# Altium PCB JTAG批量下载板-V1.6-ASCII.PcbDoc (part 2 of 14)
Units mil, origin at the board's own origin, x right, y up, seen from the top; angles counter-clockwise.
Board outline 7947.6 x 7007.76 mil, 2 copper layers (Top Layer, Bottom Layer); 207 components, 340 nets, 1329 pads, 792 vias.
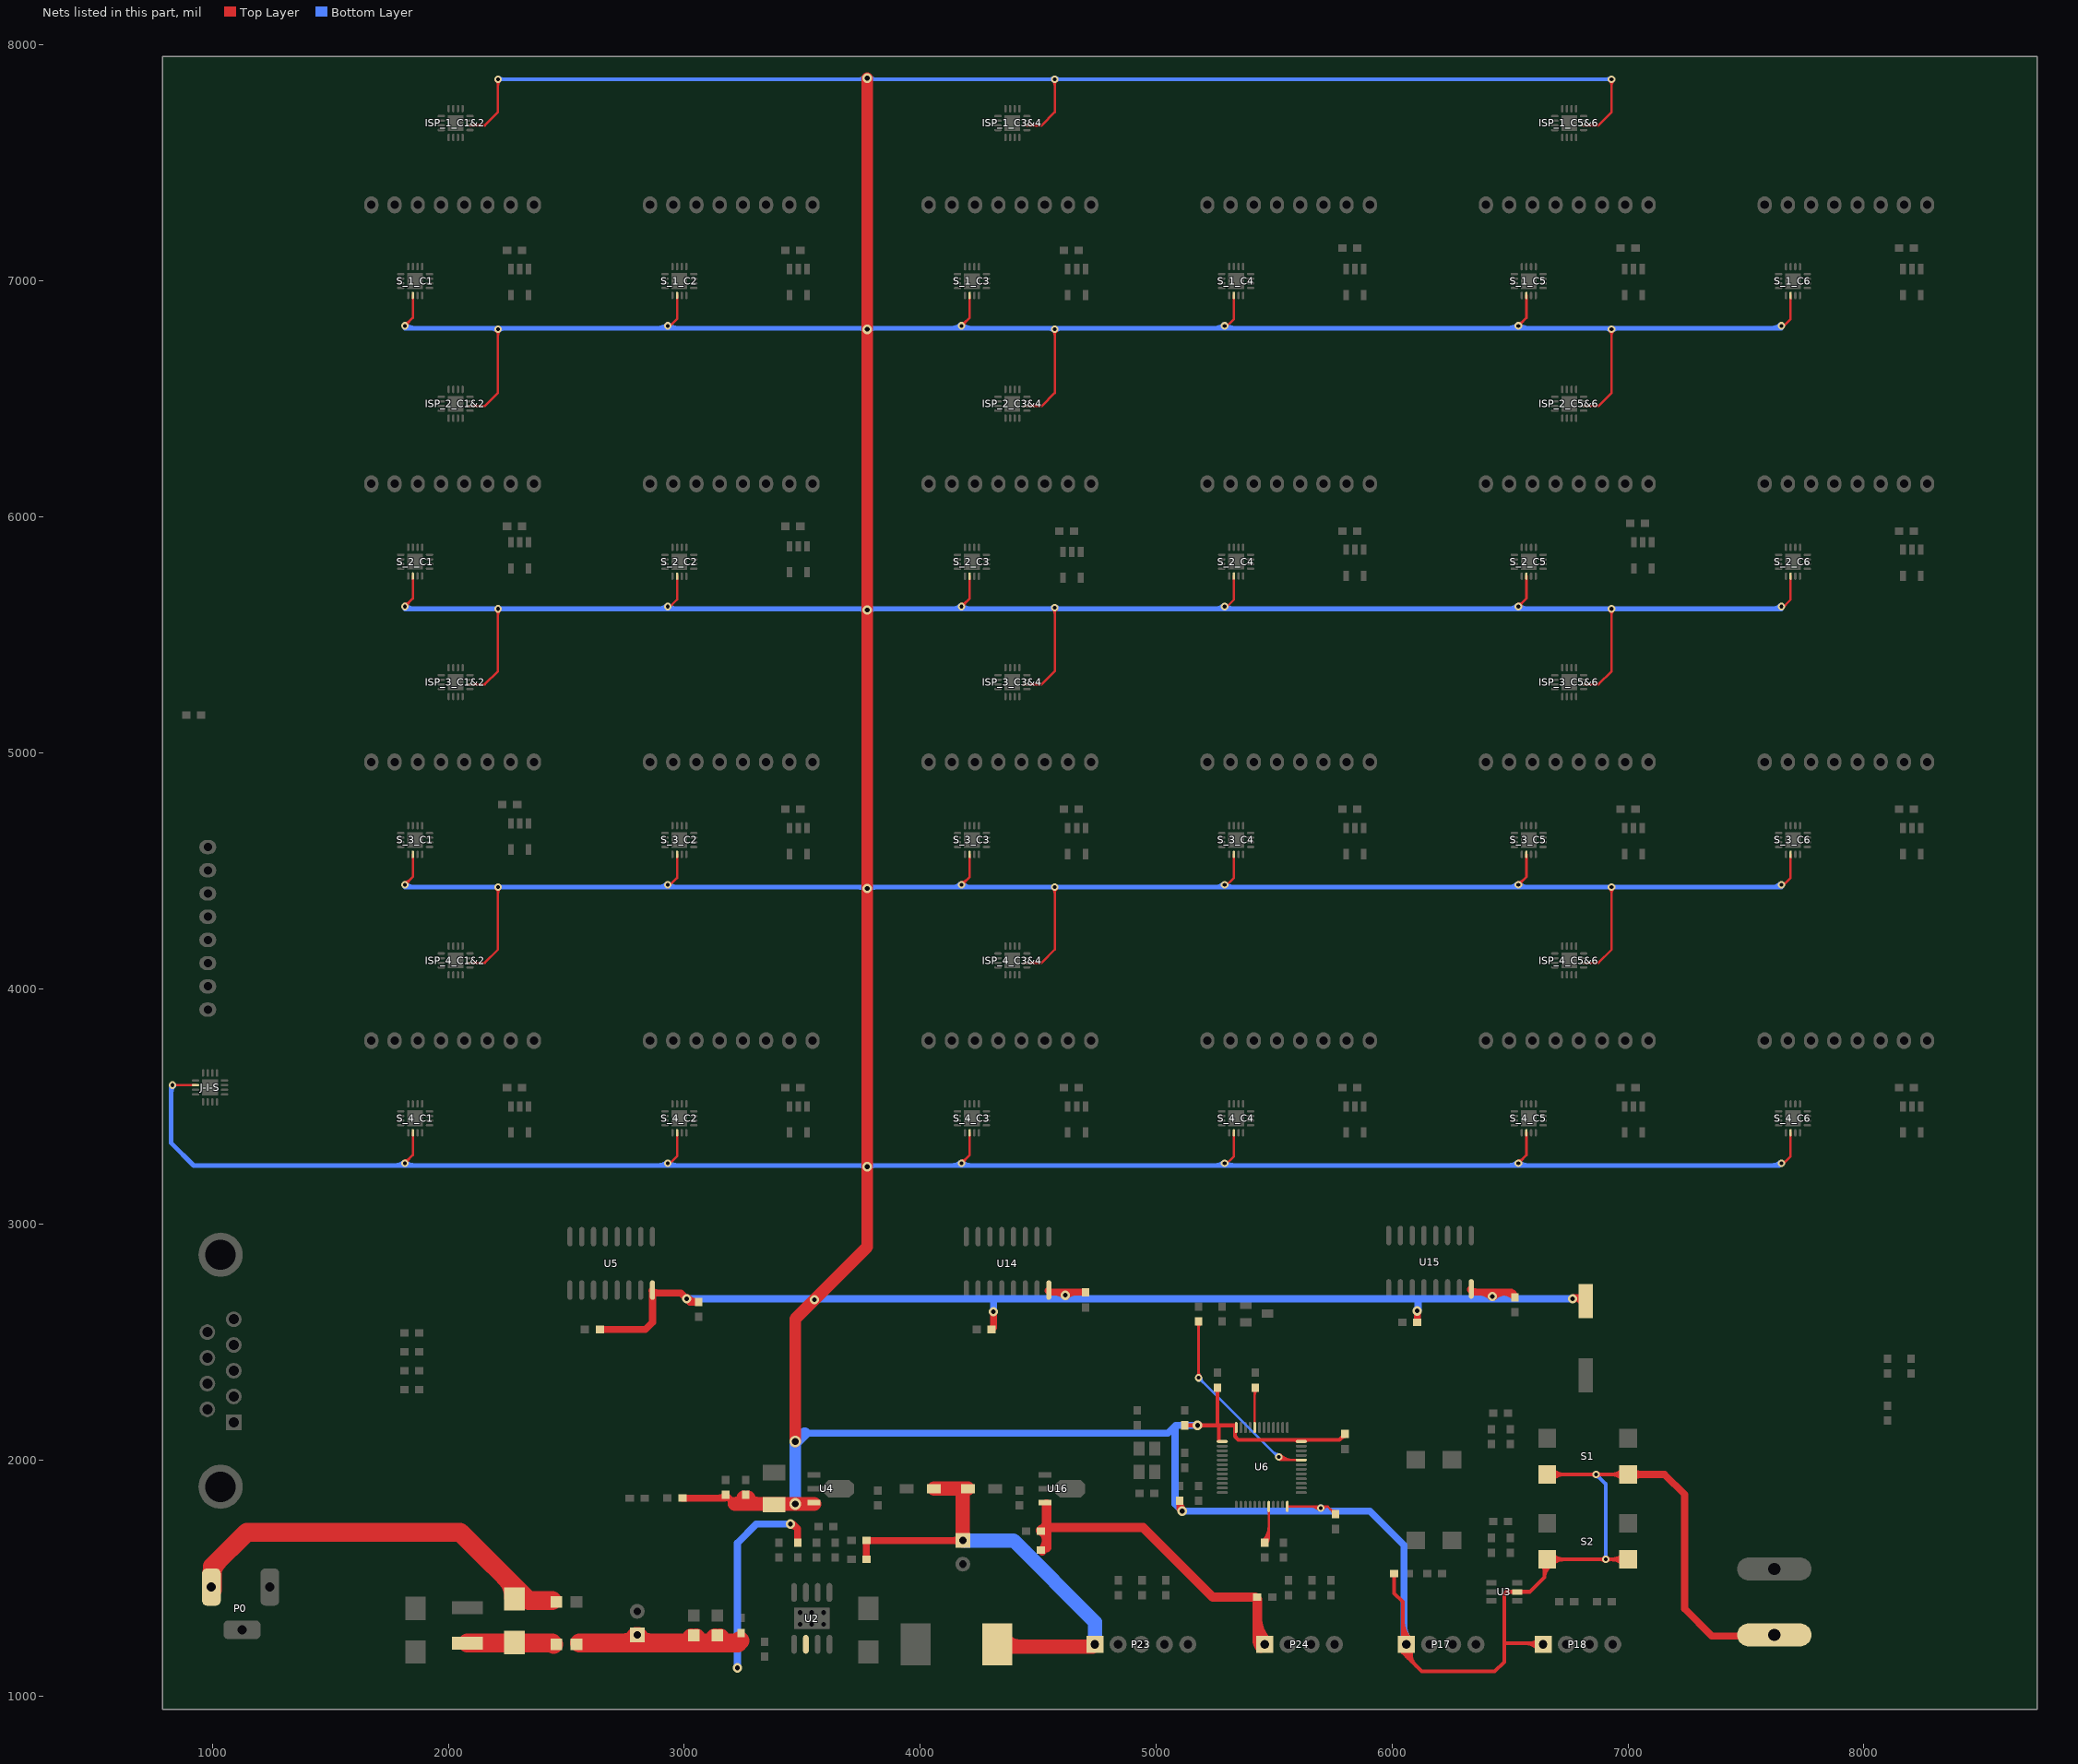
[diagram p2: the nets of this part, all layers, seen from the top]

## Via types
v1: diameter 32, hole 16, Top Layer to Bottom Layer, 721 vias
v2: diameter 50, hole 28, Top Layer to Bottom Layer, 45 vias
v3: diameter 40, hole 20, Top Layer to Bottom Layer, 26 vias

## Nets (pads, with @x,y where several pads share a name; then routed paths per layer and width w, separated by ;. In a path a pad name is that pad's centre, name@x,y a point inside that pad or via, vN(x,y) a via of type N, cw(c..) or ccw(c..) an arc to the next point about the centre after c; other vN are vias at no path point)
3.3V: C6.1 C7.1 C8.1 C9.1 C10.1 C16.1 C30.1 C41.1 C42.1 C43.1 ISP_1_C1&2.14 ISP_1_C3&4.14 ISP_1_C5&6.14 ISP_2_C1&2.14 ISP_2_C3&4.14 ISP_2_C5&6.14 ISP_3_C1&2.14 ISP_3_C3&4.14 ISP_3_C5&6.14 ISP_4_C1&2.14 ISP_4_C3&4.14 ISP_4_C5&6.14 J-I-S.14 LS1.1 P17.1 P18.1 R3.1 R12.2 R15.2 R67.1 R68.1 R69.1 S1.1 S1.2 S2.1 S2.2 S_1_C1.14 S_1_C2.14 S_1_C3.14 S_1_C4.14 S_1_C5.14 S_1_C6.14 S_2_C1.14 S_2_C2.14 S_2_C3.14 S_2_C4.14 S_2_C5.14 S_2_C6.14 S_3_C1.14 S_3_C2.14 S_3_C3.14 S_3_C4.14 S_3_C5.14 S_3_C6.14 S_4_C1.14 S_4_C2.14 S_4_C3.14 S_4_C4.14 S_4_C5.14 S_4_C6.14 SW1.1 U3.5 U4.3 U5.16 U6.1 U6.24 U6.36 U6.48 U14.16 U15.16 | length 75884.8
  Top Layer w10: v1(830.87,3590.87) J-I-S.14@928.5,3590.87 ; v1(1815,3260) 1849.13,3294.13 S_4_C1.14@1849.13,3389.06 ; v1@1815,3271 ccw(c1815,3297.56) 1833.78,3278.78 ccw(c1852.56,3260) v1@1826,3260 ; v1(1815,4440) 1849.13,4474.13 S_3_C1.14@1849.13,4569.06 ; v1@1815,4451 ccw(c1815,4477.56) 1833.78,4458.78 ccw(c1852.56,4440) v1@1826,4440 ; v1(1815,5620) 1849.13,5654.13 S_2_C1.14@1849.13,5749.06 ; v1@1815,5631 ccw(c1815,5657.56) 1833.78,5638.78 ccw(c1852.56,5620) v1@1826,5620 ; v1(1815,6810) 1849.13,6844.13 S_1_C1.14@1849.13,6939.06 ; v1@1815,6821 ccw(c1815,6847.56) 1833.78,6828.78 ccw(c1852.56,6810) v1@1826,6810 ; ISP_4_C1&2.14@2091.5,4109.69 2154.13,4109.69 2210,4165.55 v1(2210,4430) ; ISP_3_C1&2.14@2091.5,5289.69 2154.13,5289.69 2210,5345.55 v1(2210,5610) ; ISP_2_C1&2.14@2091.5,6469.69 2154.13,6469.69 2210,6525.55 v1(2210,6795) ; ISP_1_C1&2.14@2091.5,7659.69 2154.13,7659.69 2210,7715.55 v1(2210,7855.55) ; v1@2202.22,4422.22 cw(c2183.44,4403.44) 2210,4403.44 cw(c2236.56,4403.44) v1@2217.78,4422.22 ; v1@2202.22,5602.22 cw(c2183.44,5583.44) 2210,5583.44 cw(c2236.56,5583.44) v1@2217.78,5602.22 ; v1@2202.22,6787.22 cw(c2183.44,6768.44) 2210,6768.44 cw(c2236.56,6768.44) v1@2217.78,6787.22 ; v1@2202.22,7847.77 cw(c2183.44,7828.99) 2210,7828.99 cw(c2236.56,7828.99) v1@2217.78,7847.77 ; v1@2930,3250 2969.13,3289.13 S_4_C2.14@2969.13,3389.06 ; v1@2930,4430 2969.13,4469.13 S_3_C2.14@2969.13,4569.06 ; v1@2930,5610 2969.13,5649.13 S_2_C2.14@2969.13,5749.06 ; v1@2930,6800 2969.13,6839.13 S_1_C2.14@2969.13,6939.06 ; v1(4175,3260) 4209.13,3294.13 S_4_C3.14@4209.13,3389.06 ; v1@4175,3271 ccw(c4175,3297.56) 4193.78,3278.78 ccw(c4212.56,3260) v1@4186,3260 ; v1(4175,4440) 4209.13,4474.13 S_3_C3.14@4209.13,4569.06 ; v1@4175,4451 ccw(c4175,4477.56) 4193.78,4458.78 ccw(c4212.56,4440) v1@4186,4440 ; v1(4175,5620) 4209.13,5654.13 S_2_C3.14@4209.13,5749.06 ; v1@4175,5631 ccw(c4175,5657.56) 4193.78,5638.78 ccw(c4212.56,5620) v1@4186,5620 ; v1(4175,6810) 4209.13,6844.13 S_1_C3.14@4209.13,6939.06 ; v1@4175,6821 ccw(c4175,6847.56) 4193.78,6828.78 ccw(c4212.56,6810) v1@4186,6810 ; ISP_4_C3&4.14@4451.5,4109.69 4514.13,4109.69 4570,4165.55 v1(4570,4430) ; ISP_3_C3&4.14@4451.5,5289.69 4514.13,5289.69 4570,5345.55 v1(4570,5615) ; ISP_2_C3&4.14@4451.5,6469.69 4514.13,6469.69 4570,6525.55 v1(4570,6795) ; ISP_1_C3&4.14@4451.5,7659.69 4514.13,7659.69 4570,7715.55 v1(4570,7855.55) ; v1@4562.22,4422.22 cw(c4543.44,4403.44) 4570,4403.44 cw(c4596.56,4403.44) v1@4577.78,4422.22 ; v1@4562.22,5607.22 cw(c4543.44,5588.44) 4570,5588.44 cw(c4596.56,5588.44) v1@4577.78,5607.22 ; v1@4562.22,6787.22 cw(c4543.44,6768.44) 4570,6768.44 cw(c4596.56,6768.44) v1@4577.78,6787.22 ; v1@4562.22,7847.77 cw(c4543.44,7828.99) 4570,7828.99 cw(c4596.56,7828.99) v1@4577.78,7847.77 ; v1@5290,3250 5329.13,3289.13 S_4_C4.14@5329.13,3389.06 ; v1@5290,4430 5329.13,4469.13 S_3_C4.14@5329.13,4569.06 ; v1@5290,5610 5329.13,5649.13 S_2_C4.14@5329.13,5749.06 ; v1@5290,6800 5329.13,6839.13 S_1_C4.14@5329.13,6939.06 ; U6.24@5555.59,1804.41 5727.09,1804.41 ; C16.1@5760,1771.5 5727.09,1804.41 ; v1(6535,3260) 6569.13,3294.13 S_4_C5.14@6569.13,3389.06 ; v1@6535,3271 ccw(c6535,3297.56) 6553.78,3278.78 ccw(c6572.56,3260) v1@6546,3260 ; v1(6535,4440) 6569.13,4474.13 S_3_C5.14@6569.13,4569.06 ; v1@6535,4451 ccw(c6535,4477.56) 6553.78,4458.78 ccw(c6572.56,4440) v1@6546,4440 ; v1(6535,5620) 6569.13,5654.13 S_2_C5.14@6569.13,5749.06 ; v1@6535,5631 ccw(c6535,5657.56) 6553.78,5638.78 ccw(c6572.56,5620) v1@6546,5620 ; v1(6535,6810) 6569.13,6844.13 S_1_C5.14@6569.13,6939.06 ; v1@6535,6821 ccw(c6535,6847.56) 6553.78,6828.78 ccw(c6572.56,6810) v1@6546,6810 ; ISP_4_C5&6.14@6811.5,4109.69 6874.13,4109.69 6930,4165.55 v1(6930,4430) ; ISP_3_C5&6.14@6811.5,5289.69 6874.13,5289.69 6930,5345.55 v1(6930,5610) ; ISP_2_C5&6.14@6811.5,6469.69 6874.13,6469.69 6930,6525.55 v1(6930,6795) ; ISP_1_C5&6.14@6811.5,7659.69 6874.13,7659.69 6930,7715.55 v1(6930,7855.55) ; v1@6922.22,4422.22 cw(c6903.44,4403.44) 6930,4403.44 cw(c6956.56,4403.44) v1@6937.78,4422.22 ; v1@6922.22,5602.22 cw(c6903.44,5583.44) 6930,5583.44 cw(c6956.56,5583.44) v1@6937.78,5602.22 ; v1@6922.22,6787.22 cw(c6903.44,6768.44) 6930,6768.44 cw(c6956.56,6768.44) v1@6937.78,6787.22 ; v1@6922.22,7847.77 cw(c6903.44,7828.99) 6930,7828.99 cw(c6956.56,7828.99) v1@6937.78,7847.77 ; v1@7650,3250 7689.13,3289.13 S_4_C6.14@7689.13,3389.06 ; v1@7650,4430 7689.13,4469.13 S_3_C6.14@7689.13,4569.06 ; v1@7650,5610 7689.13,5649.13 S_2_C6.14@7689.13,5749.06 ; v1@7650,6800 7689.13,6839.13 S_1_C6.14@7689.13,6939.06 ; 5653.66,1804.41 cw(c5653.66,1752.8) v1@5690.15,1789.29 ; 5653.66,1804.41 cw(c5653.66,1752.8) v1@5690.15,1789.29 ; 5653.66,1804.41 cw(c5653.66,1752.8) v1@5690.15,1789.29 ; 5677.8,1804.41 cw(c5677.8,1776.94) v1@5697.22,1796.36 ; 5677.8,1804.41 cw(c5677.8,1776.94) v1@5697.22,1796.36 ; 5677.8,1804.41 cw(c5677.8,1776.94) v1@5697.22,1796.36 ; v1@5707.84,1792.31 cw(c5727.09,1783.06) 5727.09,1804.41 ; v1@5707.84,1792.31 cw(c5727.09,1783.06) 5727.09,1804.41 ; v1@5707.84,1792.31 cw(c5727.09,1783.06) 5727.09,1804.41 ; 5738.29,1793.2 ccw(c5760,1814.91) C16.1@5760,1784.21 ; 5738.29,1793.2 ccw(c5760,1814.91) C16.1@5760,1784.21 ; 5738.29,1793.2 ccw(c5760,1814.91) C16.1@5760,1784.21 ; 5738.29,1793.2 ccw(c5760,1814.91) C16.1@5760,1784.21 ; 5738.29,1793.2 ccw(c5760,1814.91) C16.1@5760,1784.21 ; 5743.04,1788.45 cw(c5728.06,1773.46) C16.1@5749.25,1773.46 ; 5743.04,1788.45 cw(c5728.06,1773.46) C16.1@5749.25,1773.46 ; 5743.04,1788.45 cw(c5728.06,1773.46) C16.1@5749.25,1773.46 ; 5743.04,1788.45 cw(c5728.06,1773.46) C16.1@5749.25,1773.46 ; 5743.04,1788.45 cw(c5728.06,1773.46) C16.1@5749.25,1773.46
  Top Layer w16: C8.1@5120,2148.5 5333.5,2148.5 5333.5,2101.5 5348.37,2086.63 5776.63,2086.63 C10.1@5801.5,2111.5 ; 5260,2148.5 C9.1@5260,2308.5 ; U6.1@5265,2085 5265,2148.5 ; 5333.5,2112.99 cw(c5347.4,2112.99) U6.48@5337.57,2122.82 ; 5585.98,2086.63 cw(c5585.98,2069.05) U6.36@5598.41,2081.48 ; U6.36@5630.88,2081.48 cw(c5643.31,2069.05) 5643.31,2086.63 ; R12.2@6008.5,1520 6008.5,1436.5 6045,1400 6045,1185 6125,1105 6435,1105 6475,1145 6475,1435 6482.6,1442.6 6582.6,1442.6 6645,1505 6645,1555 6670,1580 S2.1@7000,1580 ; 6475,1230 6480,1225 P18.1@6635,1225 ; S1.2@6657.48,1940 S1.1@6965,1940 ; C8.1@5125.48,2143.03 cw(c5138.71,2129.8) 5138.71,2148.5 ; C8.1@5125.48,2143.03 cw(c5138.71,2129.8) 5138.71,2148.5 ; C8.1@5125.48,2143.03 cw(c5138.71,2129.8) 5138.71,2148.5 ; C8.1@5125.48,2143.03 cw(c5138.71,2129.8) 5138.71,2148.5 ; C8.1@5125.48,2143.03 cw(c5138.71,2129.8) 5138.71,2148.5 ; C8.1@5125.48,2153.98 ccw(c5138.71,2167.21) 5138.71,2148.5 ; C8.1@5125.48,2153.98 ccw(c5138.71,2167.21) 5138.71,2148.5 ; C8.1@5125.48,2153.98 ccw(c5138.71,2167.21) 5138.71,2148.5 ; C8.1@5125.48,2153.98 ccw(c5138.71,2167.21) 5138.71,2148.5 ; C8.1@5125.48,2153.98 ccw(c5138.71,2167.21) 5138.71,2148.5 ; 5146.03,2148.5 cw(c5146.03,2119.53) v3@5166.51,2140.02 ; 5146.03,2148.5 ccw(c5146.03,2177.47) v3@5166.51,2156.99 ; 5146.03,2148.5 cw(c5146.03,2119.53) v3@5166.51,2140.02 ; 5146.03,2148.5 ccw(c5146.03,2177.47) v3@5166.51,2156.99 ; 5146.03,2148.5 cw(c5146.03,2119.53) v3@5166.51,2140.02 ; 5146.03,2148.5 ccw(c5146.03,2177.47) v3@5166.51,2156.99 ; 5146.03,2148.5 cw(c5146.03,2119.53) v3@5166.51,2140.02 ; 5146.03,2148.5 ccw(c5146.03,2177.47) v3@5166.51,2156.99 ; 5146.03,2148.5 cw(c5146.03,2119.53) v3@5166.51,2140.02 ; 5146.03,2148.5 ccw(c5146.03,2177.47) v3@5166.51,2156.99 ; v3@5183.49,2140.02 cw(c5203.97,2119.53) 5203.97,2148.5 ; v3@5183.49,2140.02 cw(c5203.97,2119.53) 5203.97,2148.5 ; v3@5183.49,2140.02 cw(c5203.97,2119.53) 5203.97,2148.5 ; v3@5183.49,2140.02 cw(c5203.97,2119.53) 5203.97,2148.5 ; v3@5183.49,2140.02 cw(c5203.97,2119.53) 5203.97,2148.5 ; v3@5183.49,2156.99 ccw(c5203.97,2177.47) 5203.97,2148.5 ; v3@5183.49,2156.99 ccw(c5203.97,2177.47) 5203.97,2148.5 ; v3@5183.49,2156.99 ccw(c5203.97,2177.47) 5203.97,2148.5 ; v3@5183.49,2156.99 ccw(c5203.97,2177.47) 5203.97,2148.5 ; v3@5183.49,2156.99 ccw(c5203.97,2177.47) 5203.97,2148.5 ; C9.1@5254.52,2301.06 cw(c5241.29,2287.83) 5260,2287.83 ; C9.1@5254.52,2301.06 cw(c5241.29,2287.83) 5260,2287.83 ; C9.1@5254.52,2301.06 cw(c5241.29,2287.83) 5260,2287.83 ; C9.1@5254.52,2301.06 cw(c5241.29,2287.83) 5260,2287.83 ; C9.1@5254.52,2301.06 cw(c5241.29,2287.83) 5260,2287.83 ; 5260,2287.83 cw(c5278.71,2287.83) C9.1@5265.48,2301.06 ; 5260,2287.83 cw(c5278.71,2287.83) C9.1@5265.48,2301.06 ; 5260,2287.83 cw(c5278.71,2287.83) C9.1@5265.48,2301.06 ; 5260,2287.83 cw(c5278.71,2287.83) C9.1@5265.48,2301.06 ; 5260,2287.83 cw(c5278.71,2287.83) C9.1@5265.48,2301.06 ; C10.1@5785.97,2095.97 cw(c5800,2081.93) C10.1@5800,2101.78 ; C10.1@5785.97,2095.97 cw(c5800,2081.93) C10.1@5800,2101.78 ; C10.1@5785.97,2095.97 cw(c5800,2081.93) C10.1@5800,2101.78 ; C10.1@5785.97,2095.97 cw(c5800,2081.93) C10.1@5800,2101.78 ; C10.1@5785.97,2095.97 cw(c5800,2081.93) C10.1@5800,2101.78 ; C10.1@5787.11,2097.11 ccw(c5774.69,2109.53) C10.1@5792.25,2109.53 ; C10.1@5787.11,2097.11 ccw(c5774.69,2109.53) C10.1@5792.25,2109.53 ; C10.1@5787.11,2097.11 ccw(c5774.69,2109.53) C10.1@5792.25,2109.53 ; C10.1@5787.11,2097.11 ccw(c5774.69,2109.53) C10.1@5792.25,2109.53 ; C10.1@5787.11,2097.11 ccw(c5774.69,2109.53) C10.1@5792.25,2109.53 ; R12.2@6003.03,1514.52 cw(c5989.8,1501.29) 6008.5,1501.29 ; R12.2@6003.03,1514.52 cw(c5989.8,1501.29) 6008.5,1501.29 ; R12.2@6003.03,1514.52 cw(c5989.8,1501.29) 6008.5,1501.29 ; R12.2@6003.03,1514.52 cw(c5989.8,1501.29) 6008.5,1501.29 ; R12.2@6003.03,1514.52 cw(c5989.8,1501.29) 6008.5,1501.29 ; 6008.5,1501.29 cw(c6027.21,1501.29) R12.2@6013.98,1514.52 ; 6008.5,1501.29 cw(c6027.21,1501.29) R12.2@6013.98,1514.52 ; 6008.5,1501.29 cw(c6027.21,1501.29) R12.2@6013.98,1514.52 ; 6008.5,1501.29 cw(c6027.21,1501.29) R12.2@6013.98,1514.52 ; 6008.5,1501.29 cw(c6027.21,1501.29) R12.2@6013.98,1514.52 ; P17.1@6041.75,1228.18 ccw(c6081.75,1210.25) 6050.75,1179.25 ; P17.1@6041.75,1228.18 ccw(c6081.75,1210.25) 6050.75,1179.25 ; P17.1@6041.75,1228.18 ccw(c6081.75,1210.25) 6050.75,1179.25 ; P17.1@6041.75,1228.18 ccw(c6081.75,1210.25) 6050.75,1179.25 ; P17.1@6041.75,1228.18 ccw(c6081.75,1210.25) 6050.75,1179.25 ; 6045,1285.18 ccw(c6125.18,1285.18) P17.1@6068.49,1228.49 ; 6045,1285.18 ccw(c6125.18,1285.18) P17.1@6068.49,1228.49 ; 6045,1285.18 ccw(c6125.18,1285.18) P17.1@6068.49,1228.49 ; 6045,1285.18 ccw(c6125.18,1285.18) P17.1@6068.49,1228.49 ; 6045,1285.18 ccw(c6125.18,1285.18) P17.1@6068.49,1228.49 ; 6045,1323.81 ccw(c6163.81,1323.81) P17.1@6079.8,1239.8 ; 6045,1323.81 ccw(c6163.81,1323.81) P17.1@6079.8,1239.8 ; 6045,1323.81 ccw(c6163.81,1323.81) P17.1@6079.8,1239.8 ; 6045,1323.81 ccw(c6163.81,1323.81) P17.1@6079.8,1239.8 ; 6045,1323.81 ccw(c6163.81,1323.81) P17.1@6079.8,1239.8 ; P17.1@6056.35,1221.64 ccw(c6104.42,1200.08) 6067.17,1162.83 ; P17.1@6056.35,1221.64 ccw(c6104.42,1200.08) 6067.17,1162.83 ; P17.1@6056.35,1221.64 ccw(c6104.42,1200.08) 6067.17,1162.83 ; P17.1@6056.35,1221.64 ccw(c6104.42,1200.08) 6067.17,1162.83 ; P17.1@6056.35,1221.64 ccw(c6104.42,1200.08) 6067.17,1162.83 ; P17.1@6070.95,1215.09 ccw(c6127.08,1189.92) 6083.58,1146.42 ; P17.1@6070.95,1215.09 ccw(c6127.08,1189.92) 6083.58,1146.42 ; P17.1@6070.95,1215.09 ccw(c6127.08,1189.92) 6083.58,1146.42 ; P17.1@6070.95,1215.09 ccw(c6127.08,1189.92) 6083.58,1146.42 ; P17.1@6070.95,1215.09 ccw(c6127.08,1189.92) 6083.58,1146.42 ; P17.1@6085.55,1208.54 ccw(c6149.75,1179.75) 6100,1130 ; P17.1@6085.55,1208.54 ccw(c6149.75,1179.75) 6100,1130 ; P17.1@6085.55,1208.54 ccw(c6149.75,1179.75) 6100,1130 ; P17.1@6085.55,1208.54 ccw(c6149.75,1179.75) 6100,1130 ; P17.1@6085.55,1208.54 ccw(c6149.75,1179.75) 6100,1130 ; 6560.33,1225 cw(c6560.33,1140.33) P18.1@6620.2,1200.2 ; 6560.33,1225 cw(c6560.33,1140.33) P18.1@6620.2,1200.2 ; 6560.33,1225 cw(c6560.33,1140.33) P18.1@6620.2,1200.2 ; 6560.33,1225 cw(c6560.33,1140.33) P18.1@6620.2,1200.2 ; 6560.33,1225 cw(c6560.33,1140.33) P18.1@6620.2,1200.2 ; 6584.47,1225 ccw(c6584.47,1275.53) P18.1@6620.2,1239.8 ; 6584.47,1225 ccw(c6584.47,1275.53) P18.1@6620.2,1239.8 ; 6584.47,1225 ccw(c6584.47,1275.53) P18.1@6620.2,1239.8 ; 6584.47,1225 ccw(c6584.47,1275.53) P18.1@6620.2,1239.8 ; 6584.47,1225 ccw(c6584.47,1275.53) P18.1@6620.2,1239.8 ; 6598.96,1225 cw(c6598.96,1178.96) P18.1@6631.51,1211.51 ; 6598.96,1225 cw(c6598.96,1178.96) P18.1@6631.51,1211.51 ; 6598.96,1225 cw(c6598.96,1178.96) P18.1@6631.51,1211.51 ; 6598.96,1225 cw(c6598.96,1178.96) P18.1@6631.51,1211.51 ; 6598.96,1225 cw(c6598.96,1178.96) P18.1@6631.51,1211.51 ; S2.2@6636.69,1557.24 cw(c6616.63,1537.18) 6645,1537.18 ; S2.2@6636.69,1557.24 cw(c6616.63,1537.18) 6645,1537.18 ; S2.2@6636.69,1557.24 cw(c6616.63,1537.18) 6645,1537.18 ; S2.2@6636.69,1557.24 cw(c6616.63,1537.18) 6645,1537.18 ; S2.2@6636.69,1557.24 cw(c6616.63,1537.18) 6645,1537.18 ; 6645,1503.94 cw(c6702.07,1503.94) S2.2@6672.64,1552.84 ; 6645,1503.94 cw(c6702.07,1503.94) S2.2@6672.64,1552.84 ; 6645,1503.94 cw(c6702.07,1503.94) S2.2@6672.64,1552.84 ; 6645,1503.94 cw(c6702.07,1503.94) S2.2@6672.64,1552.84 ; 6645,1503.94 cw(c6702.07,1503.94) S2.2@6672.64,1552.84 ; 6645,1532.25 cw(c6685.03,1532.25) S2.2@6664.39,1566.55 ; 6645,1532.25 cw(c6685.03,1532.25) S2.2@6664.39,1566.55 ; 6645,1532.25 cw(c6685.03,1532.25) S2.2@6664.39,1566.55 ; 6645,1532.25 cw(c6685.03,1532.25) S2.2@6664.39,1566.55 ; 6645,1532.25 cw(c6685.03,1532.25) S2.2@6664.39,1566.55 ; S2.2@6678.27,1559.21 cw(c6728.46,1509.02) 6728.46,1580 ; S2.2@6678.27,1559.21 cw(c6728.46,1509.02) 6728.46,1580 ; S2.2@6678.27,1559.21 cw(c6728.46,1509.02) 6728.46,1580 ; S2.2@6678.27,1559.21 cw(c6728.46,1509.02) 6728.46,1580 ; S2.2@6678.27,1559.21 cw(c6728.46,1509.02) 6728.46,1580 ; S2.2@6678.27,1600.79 ccw(c6728.46,1650.98) 6728.46,1580 ; S2.2@6678.27,1600.79 ccw(c6728.46,1650.98) 6728.46,1580 ; S2.2@6678.27,1600.79 ccw(c6728.46,1650.98) 6728.46,1580 ; S2.2@6678.27,1600.79 ccw(c6728.46,1650.98) 6728.46,1580 ; S2.2@6678.27,1600.79 ccw(c6728.46,1650.98) 6728.46,1580 ; S1.2@6678.27,1919.21 cw(c6728.46,1869.02) 6728.46,1940 ; S1.2@6678.27,1919.21 cw(c6728.46,1869.02) 6728.46,1940 ; S1.2@6678.27,1919.21 cw(c6728.46,1869.02) 6728.46,1940 ; S1.2@6678.27,1919.21 cw(c6728.46,1869.02) 6728.46,1940 ; S1.2@6678.27,1919.21 cw(c6728.46,1869.02) 6728.46,1940 ; S1.2@6678.27,1960.79 ccw(c6728.46,2010.98) 6728.46,1940 ; S1.2@6678.27,1960.79 ccw(c6728.46,2010.98) 6728.46,1940 ; S1.2@6678.27,1960.79 ccw(c6728.46,2010.98) 6728.46,1940 ; S1.2@6678.27,1960.79 ccw(c6728.46,2010.98) 6728.46,1940 ; S1.2@6678.27,1960.79 ccw(c6728.46,2010.98) 6728.46,1940 ; 6845.69,1940 cw(c6845.69,1920.69) v1@6859.34,1934.34 ; 6845.69,1940 ccw(c6845.69,1959.31) v1@6859.34,1945.66 ; 6845.69,1940 cw(c6845.69,1920.69) v1@6859.34,1934.34 ; 6845.69,1940 ccw(c6845.69,1959.31) v1@6859.34,1945.66 ; 6845.69,1940 cw(c6845.69,1920.69) v1@6859.34,1934.34 ; 6845.69,1940 ccw(c6845.69,1959.31) v1@6859.34,1945.66 ; 6845.69,1940 cw(c6845.69,1920.69) v1@6859.34,1934.34 ; 6845.69,1940 ccw(c6845.69,1959.31) v1@6859.34,1945.66 ; 6845.69,1940 cw(c6845.69,1920.69) v1@6859.34,1934.34 ; 6845.69,1940 ccw(c6845.69,1959.31) v1@6859.34,1945.66 ; v1@6870.66,1934.34 cw(c6884.31,1920.69) 6884.31,1940 ; v1@6870.66,1934.34 cw(c6884.31,1920.69) 6884.31,1940 ; v1@6870.66,1934.34 cw(c6884.31,1920.69) 6884.31,1940 ; v1@6870.66,1934.34 cw(c6884.31,1920.69) 6884.31,1940 ; v1@6870.66,1934.34 cw(c6884.31,1920.69) 6884.31,1940 ; v1@6870.66,1945.66 ccw(c6884.31,1959.31) 6884.31,1940 ; v1@6870.66,1945.66 ccw(c6884.31,1959.31) 6884.31,1940 ; v1@6870.66,1945.66 ccw(c6884.31,1959.31) 6884.31,1940 ; v1@6870.66,1945.66 ccw(c6884.31,1959.31) 6884.31,1940 ; v1@6870.66,1945.66 ccw(c6884.31,1959.31) 6884.31,1940 ; 6885.69,1580 cw(c6885.69,1560.69) v1@6899.34,1574.34 ; 6885.69,1580 ccw(c6885.69,1599.31) v1@6899.34,1585.66 ; 6885.69,1580 cw(c6885.69,1560.69) v1@6899.34,1574.34 ; 6885.69,1580 ccw(c6885.69,1599.31) v1@6899.34,1585.66 ; 6885.69,1580 cw(c6885.69,1560.69) v1@6899.34,1574.34 ; 6885.69,1580 ccw(c6885.69,1599.31) v1@6899.34,1585.66 ; 6885.69,1580 cw(c6885.69,1560.69) v1@6899.34,1574.34 ; 6885.69,1580 ccw(c6885.69,1599.31) v1@6899.34,1585.66 ; 6885.69,1580 cw(c6885.69,1560.69) v1@6899.34,1574.34 ; 6885.69,1580 ccw(c6885.69,1599.31) v1@6899.34,1585.66 ; v1@6910.66,1574.34 cw(c6924.31,1560.69) 6924.31,1580 ; v1@6910.66,1574.34 cw(c6924.31,1560.69) 6924.31,1580 ; v1@6910.66,1574.34 cw(c6924.31,1560.69) 6924.31,1580 ; v1@6910.66,1574.34 cw(c6924.31,1560.69) 6924.31,1580 ; v1@6910.66,1574.34 cw(c6924.31,1560.69) 6924.31,1580 ; v1@6910.66,1585.66 ccw(c6924.31,1599.31) 6924.31,1580 ; v1@6910.66,1585.66 ccw(c6924.31,1599.31) 6924.31,1580 ; v1@6910.66,1585.66 ccw(c6924.31,1599.31) 6924.31,1580 ; v1@6910.66,1585.66 ccw(c6924.31,1599.31) 6924.31,1580 ; v1@6910.66,1585.66 ccw(c6924.31,1599.31) 6924.31,1580 ; 6929.02,1580 cw(c6929.02,1509.02) S2.1@6979.21,1559.21 ; 6929.02,1580 ccw(c6929.02,1650.98) S2.1@6979.21,1600.79 ; 6929.02,1580 cw(c6929.02,1509.02) S2.1@6979.21,1559.21 ; 6929.02,1580 ccw(c6929.02,1650.98) S2.1@6979.21,1600.79 ; 6929.02,1580 cw(c6929.02,1509.02) S2.1@6979.21,1559.21 ; 6929.02,1580 ccw(c6929.02,1650.98) S2.1@6979.21,1600.79 ; 6929.02,1580 cw(c6929.02,1509.02) S2.1@6979.21,1559.21 ; 6929.02,1580 ccw(c6929.02,1650.98) S2.1@6979.21,1600.79 ; 6929.02,1580 cw(c6929.02,1509.02) S2.1@6979.21,1559.21 ; 6929.02,1580 ccw(c6929.02,1650.98) S2.1@6979.21,1600.79 ; 6929.02,1940 cw(c6929.02,1869.02) S1.1@6979.21,1919.21 ; 6929.02,1940 ccw(c6929.02,2010.98) S1.1@6979.21,1960.79 ; 6929.02,1940 cw(c6929.02,1869.02) S1.1@6979.21,1919.21 ; 6929.02,1940 ccw(c6929.02,2010.98) S1.1@6979.21,1960.79 ; 6929.02,1940 cw(c6929.02,1869.02) S1.1@6979.21,1919.21 ; 6929.02,1940 ccw(c6929.02,2010.98) S1.1@6979.21,1960.79 ; 6929.02,1940 cw(c6929.02,1869.02) S1.1@6979.21,1919.21 ; 6929.02,1940 ccw(c6929.02,2010.98) S1.1@6979.21,1960.79 ; 6929.02,1940 cw(c6929.02,1869.02) S1.1@6979.21,1919.21 ; 6929.02,1940 ccw(c6929.02,2010.98) S1.1@6979.21,1960.79
  Top Layer w30: R68.1@2650,2555 2835,2555 2865,2585 2865,2710 2985,2710 3023.5,2671.5 C41.1@3060,2671.5 ; R3.1@2991.5,1840 C30.1@3170,1840 ; C30.1@3175,1853.5 3213.5,1815 ; 3260,1820 C6.1@3260,1853.5 ; R69.1@4301.5,2555 4310,2563.5 v3(4310,2630) ; 4558.5,2713.5 C43.1@4690,2713.5 ; v3@5100,1795 R15.2@5100,1828.5 ; R67.1@6106.5,2585 v3(6106.5,2633.5) ; U15.16@6341.5,2713.5 6497.99,2713.5 ; C42.1@6520,2691.5 6497.99,2713.5 ; LS1.1@6820,2690 v3@6770,2690 ; S1.1@6965,1940 7155,1940 7240,1855 7240,1370 7355,1255 SW1.1@7525,1255 ; U5.16@2862.05,2718.86 ccw(c2883.44,2740.25) 2883.44,2710 ; U5.16@2862.05,2718.86 ccw(c2883.44,2740.25) 2883.44,2710 ; U5.16@2862.05,2718.86 ccw(c2883.44,2740.25) 2883.44,2710 ; U5.16@2862.05,2718.86 ccw(c2883.44,2740.25) 2883.44,2710 ; U5.16@2862.05,2718.86 ccw(c2883.44,2740.25) 2883.44,2710 ; v3@3013.54,2688.54 ccw(c3054.67,2729.67) C41.1@3054.67,2671.5 ; v3@3013.54,2688.54 ccw(c3054.67,2729.67) C41.1@3054.67,2671.5 ; v3@3013.54,2688.54 ccw(c3054.67,2729.67) C41.1@3054.67,2671.5 ; v3@3013.54,2688.54 ccw(c3054.67,2729.67) C41.1@3054.67,2671.5 ; v3@3013.54,2688.54 ccw(c3054.67,2729.67) C41.1@3054.67,2671.5 ; 3145.34,1840 ccw(c3145.34,1881.19) C30.1@3174.47,1852.06 ; 3145.34,1840 ccw(c3145.34,1881.19) C30.1@3174.47,1852.06 ; 3145.34,1840 ccw(c3145.34,1881.19) C30.1@3174.47,1852.06 ; 3145.34,1840 ccw(c3145.34,1881.19) C30.1@3174.47,1852.06 ; 3145.34,1840 ccw(c3145.34,1881.19) C30.1@3174.47,1852.06 ; 3316,1815 cw(c3316,1762.85) C7.1@3352.88,1799.73 ; 3316,1815 cw(c3316,1762.85) C7.1@3352.88,1799.73 ; 3316,1815 cw(c3316,1762.85) C7.1@3352.88,1799.73 ; 3330.07,1815 ccw(c3330.07,1847.25) C7.1@3352.88,1824.45 ; 3330.07,1815 ccw(c3330.07,1847.25) C7.1@3352.88,1824.45 ; 3330.07,1815 ccw(c3330.07,1847.25) C7.1@3352.88,1824.45 ; C7.1@3407.12,1799.73 cw(c3444,1762.85) 3444,1815 ; C7.1@3407.12,1799.73 cw(c3444,1762.85) 3444,1815 ; C7.1@3407.12,1799.73 cw(c3444,1762.85) 3444,1815 ; C7.1@3407.12,1824.45 ccw(c3429.93,1847.25) 3429.93,1815 ; C7.1@3407.12,1824.45 ccw(c3429.93,1847.25) 3429.93,1815 ; C7.1@3407.12,1824.45 ccw(c3429.93,1847.25) 3429.93,1815 ; R69.1@4302.94,2555.53 ccw(c4285.88,2572.58) 4310,2572.58 ; R69.1@4302.94,2555.53 ccw(c4285.88,2572.58) 4310,2572.58 ; R69.1@4302.94,2555.53 ccw(c4285.88,2572.58) 4310,2572.58 ; R69.1@4302.94,2555.53 ccw(c4285.88,2572.58) 4310,2572.58 ; R69.1@4302.94,2555.53 ccw(c4285.88,2572.58) 4310,2572.58 ; U14.16@4542.05,2718.86 ccw(c4554.98,2731.79) U14.16@4554.98,2713.5 ; U14.16@4542.05,2718.86 ccw(c4554.98,2731.79) U14.16@4554.98,2713.5 ; U14.16@4542.05,2718.86 ccw(c4554.98,2731.79) U14.16@4554.98,2713.5 ; U14.16@4542.05,2718.86 ccw(c4554.98,2731.79) U14.16@4554.98,2713.5 ; U14.16@4542.05,2718.86 ccw(c4554.98,2731.79) U14.16@4554.98,2713.5 ; U14.16@4542.05,2718.86 ccw(c4554.98,2731.79) U14.16@4554.98,2713.5 ; U14.16@4542.05,2718.86 ccw(c4554.98,2731.79) U14.16@4554.98,2713.5 ; U14.16@4542.05,2718.86 ccw(c4554.98,2731.79) U14.16@4554.98,2713.5 ; U14.16@4542.05,2718.86 ccw(c4554.98,2731.79) U14.16@4554.98,2713.5 ; U14.16@4542.05,2718.86 ccw(c4554.98,2731.79) U14.16@4554.98,2713.5 ; 4570.33,2713.5 cw(c4570.33,2655.33) v3@4611.46,2696.46 ; 4570.33,2713.5 cw(c4570.33,2655.33) v3@4611.46,2696.46 ; 4570.33,2713.5 cw(c4570.33,2655.33) v3@4611.46,2696.46 ; 4570.33,2713.5 cw(c4570.33,2655.33) v3@4611.46,2696.46 ; 4570.33,2713.5 cw(c4570.33,2655.33) v3@4611.46,2696.46 ; v3@4618.54,2696.46 cw(c4659.67,2655.33) 4659.67,2713.5 ; v3@4618.54,2696.46 cw(c4659.67,2655.33) 4659.67,2713.5 ; v3@4618.54,2696.46 cw(c4659.67,2655.33) 4659.67,2713.5 ; v3@4618.54,2696.46 cw(c4659.67,2655.33) 4659.67,2713.5 ; v3@4618.54,2696.46 cw(c4659.67,2655.33) 4659.67,2713.5 ; R15.2@5100,1821.21 ccw(c5146.21,1821.21) v3@5113.54,1788.54 ; R15.2@5100,1821.21 ccw(c5146.21,1821.21) v3@5113.54,1788.54 ; R15.2@5100,1821.21 ccw(c5146.21,1821.21) v3@5113.54,1788.54 ; R15.2@5100,1821.21 ccw(c5146.21,1821.21) v3@5113.54,1788.54 ; R15.2@5100,1821.21 ccw(c5146.21,1821.21) v3@5113.54,1788.54 ; U15.16@6332.05,2723.86 ccw(c6357.05,2748.86) 6357.05,2713.5 ; U15.16@6332.05,2723.86 ccw(c6357.05,2748.86) 6357.05,2713.5 ; U15.16@6332.05,2723.86 ccw(c6357.05,2748.86) 6357.05,2713.5 ; U15.16@6332.05,2723.86 ccw(c6357.05,2748.86) 6357.05,2713.5 ; U15.16@6332.05,2723.86 ccw(c6357.05,2748.86) 6357.05,2713.5 ; 6368.26,2713.5 cw(c6368.26,2638.26) v3@6421.46,2691.46 ; 6368.26,2713.5 cw(c6368.26,2638.26) v3@6421.46,2691.46 ; 6368.26,2713.5 cw(c6368.26,2638.26) v3@6421.46,2691.46 ; 6368.26,2713.5 cw(c6368.26,2638.26) v3@6421.46,2691.46 ; 6368.26,2713.5 cw(c6368.26,2638.26) v3@6421.46,2691.46 ; 6407.32,2712.68 cw(c6409.32,2710.68) 6409.32,2713.5 ; 6407.32,2712.68 cw(c6409.32,2710.68) 6409.32,2713.5 ; 6407.32,2712.68 cw(c6409.32,2710.68) 6409.32,2713.5 ; 6407.32,2712.68 cw(c6409.32,2710.68) 6409.32,2713.5 ; 6407.32,2712.68 cw(c6409.32,2710.68) 6409.32,2713.5 ; v3@6428.54,2691.46 cw(c6481.74,2638.26) 6481.74,2713.5 ; v3@6428.54,2691.46 cw(c6481.74,2638.26) 6481.74,2713.5 ; v3@6428.54,2691.46 cw(c6481.74,2638.26) 6481.74,2713.5 ; v3@6428.54,2691.46 cw(c6481.74,2638.26) 6481.74,2713.5 ; v3@6428.54,2691.46 cw(c6481.74,2638.26) 6481.74,2713.5 ; 6440.68,2713.5 cw(c6440.68,2710.68) 6442.68,2712.68 ; 6440.68,2713.5 cw(c6440.68,2710.68) 6442.68,2712.68 ; 6440.68,2713.5 cw(c6440.68,2710.68) 6442.68,2712.68 ; 6440.68,2713.5 cw(c6440.68,2710.68) 6442.68,2712.68 ; 6440.68,2713.5 cw(c6440.68,2710.68) 6442.68,2712.68 ; 6469.81,2713.5 cw(c6469.81,2643.28) C42.1@6519.47,2692.94 ; 6469.81,2713.5 cw(c6469.81,2643.28) C42.1@6519.47,2692.94 ; 6469.81,2713.5 cw(c6469.81,2643.28) C42.1@6519.47,2692.94 ; 6469.81,2713.5 cw(c6469.81,2643.28) C42.1@6519.47,2692.94 ; 6469.81,2713.5 cw(c6469.81,2643.28) C42.1@6519.47,2692.94 ; 6497.99,2713.5 cw(c6497.99,2692.21) C42.1@6519.25,2693.42 ; 6497.99,2713.5 cw(c6497.99,2692.21) C42.1@6519.25,2693.42 ; 6497.99,2713.5 cw(c6497.99,2692.21) C42.1@6519.25,2693.42 ; 6497.99,2713.5 cw(c6497.99,2692.21) C42.1@6519.25,2693.42 ; 6497.99,2713.5 cw(c6497.99,2692.21) C42.1@6519.25,2693.42 ; v3@6768.54,2681.46 cw(c6789.14,2660.86) 6789.14,2690 ; v3@6768.54,2681.46 cw(c6789.14,2660.86) 6789.14,2690 ; v3@6768.54,2681.46 cw(c6789.14,2660.86) 6789.14,2690 ; v3@6768.54,2681.46 cw(c6789.14,2660.86) 6789.14,2690 ; v3@6768.54,2681.46 cw(c6789.14,2660.86) 6789.14,2690 ; v3@6770,2690 cw(c6770,2648.34) LS1.1@6806.76,2667.94 ; v3@6770,2690 cw(c6770,2648.34) LS1.1@6806.76,2667.94 ; v3@6770,2690 cw(c6770,2648.34) LS1.1@6806.76,2667.94 ; v3@6770,2690 cw(c6770,2648.34) LS1.1@6806.76,2667.94 ; v3@6770,2690 cw(c6770,2648.34) LS1.1@6806.76,2667.94 ; 7054.08,1940 cw(c7054.08,1994.08) 7015.84,1955.84 ccw(c7054.08,1994.08) 7054.08,1940 ; 7054.08,1940 ccw(c7054.08,1885.92) 7015.84,1924.16 cw(c7054.08,1885.92) 7054.08,1940